# Altium PCB base.PcbDoc
Units mil, origin at the board's own origin, x right, y up, seen from the top; angles counter-clockwise.
Board outline 3307.09 x 3590.71 mil, 2 copper layers (Top Layer, Bottom Layer), stack 38.57 mil thick; 32 components, 32 nets, 175 pads, 168 vias.
Unrouted connection lines stored in the file: 5.
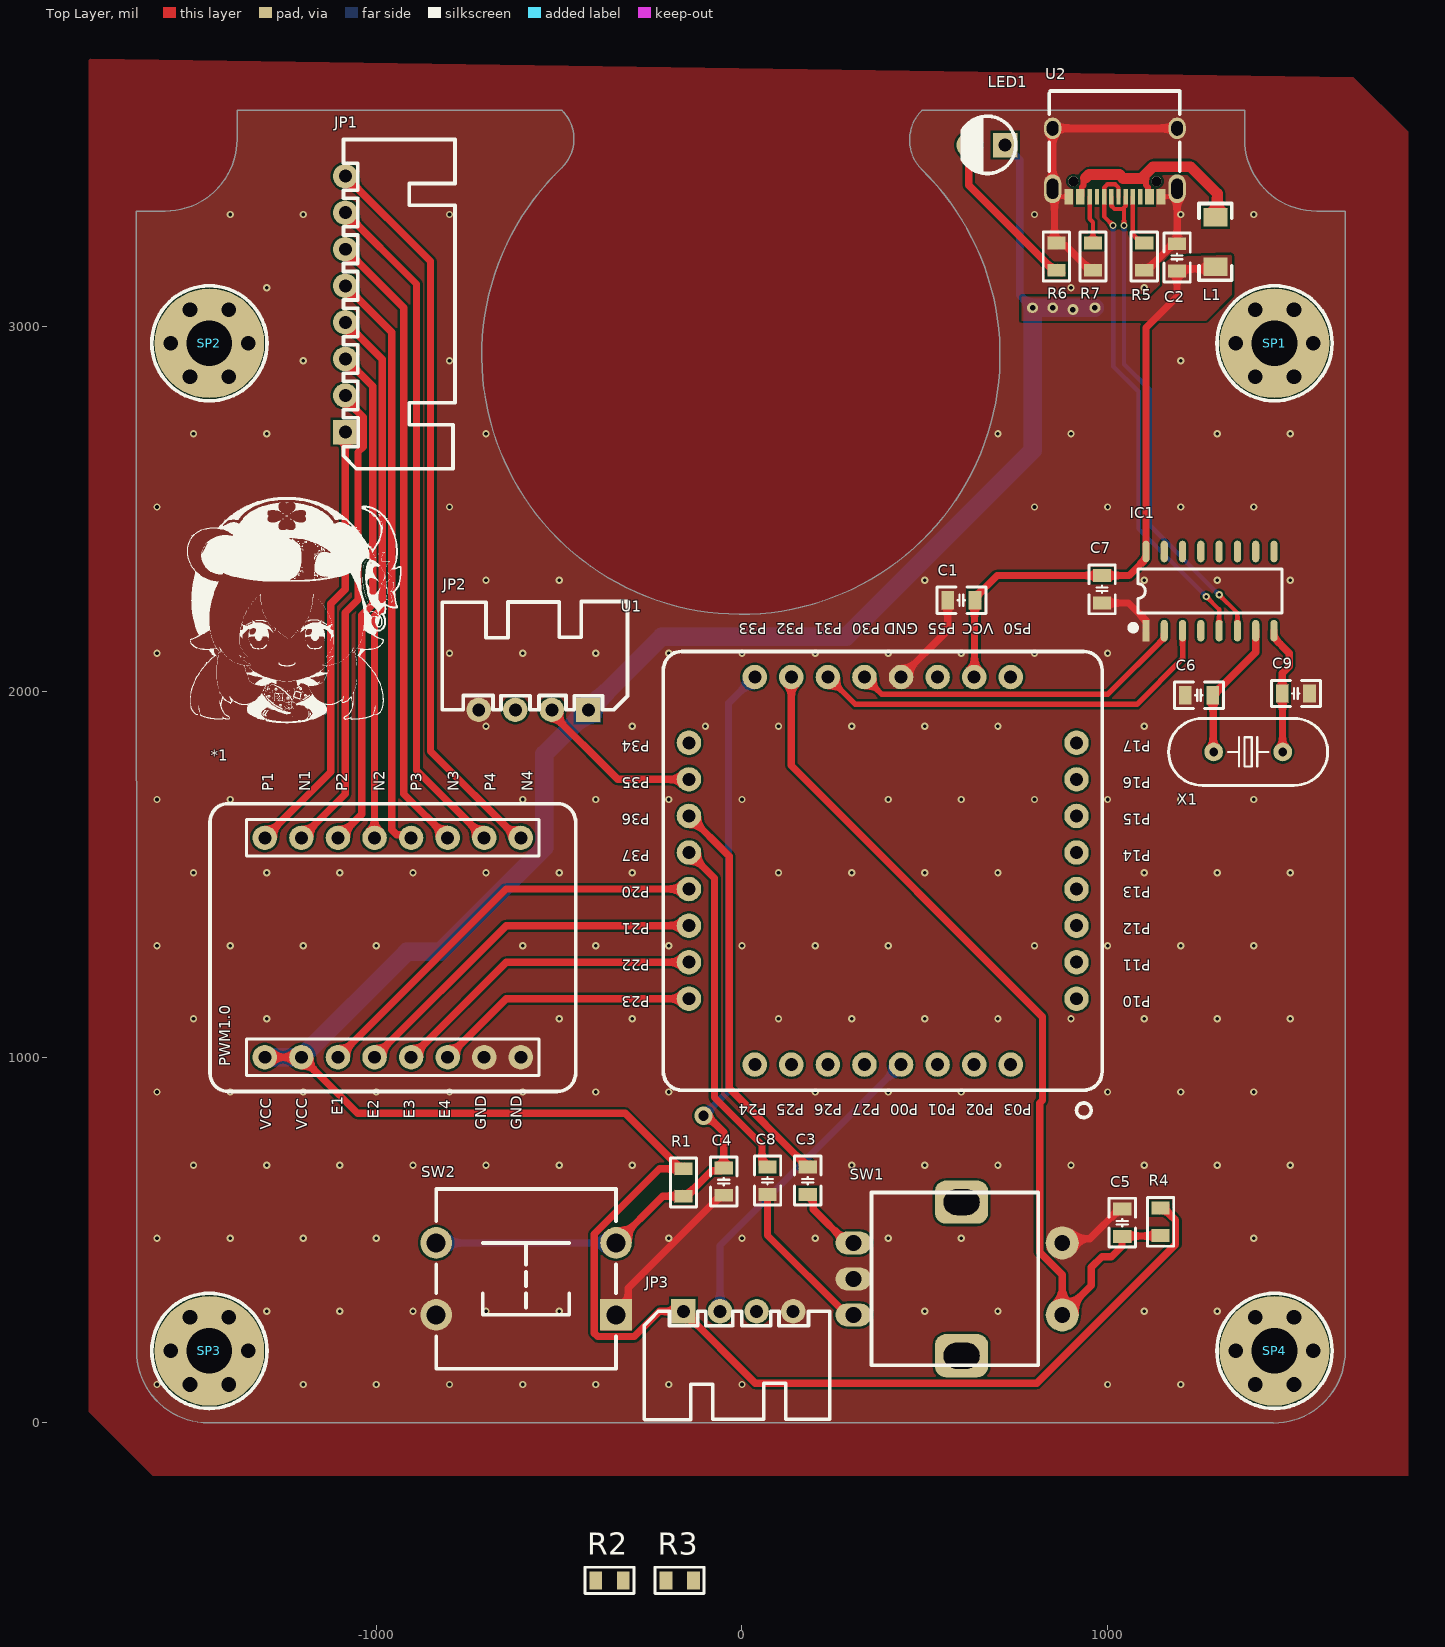
[diagram p0: Top Layer view]
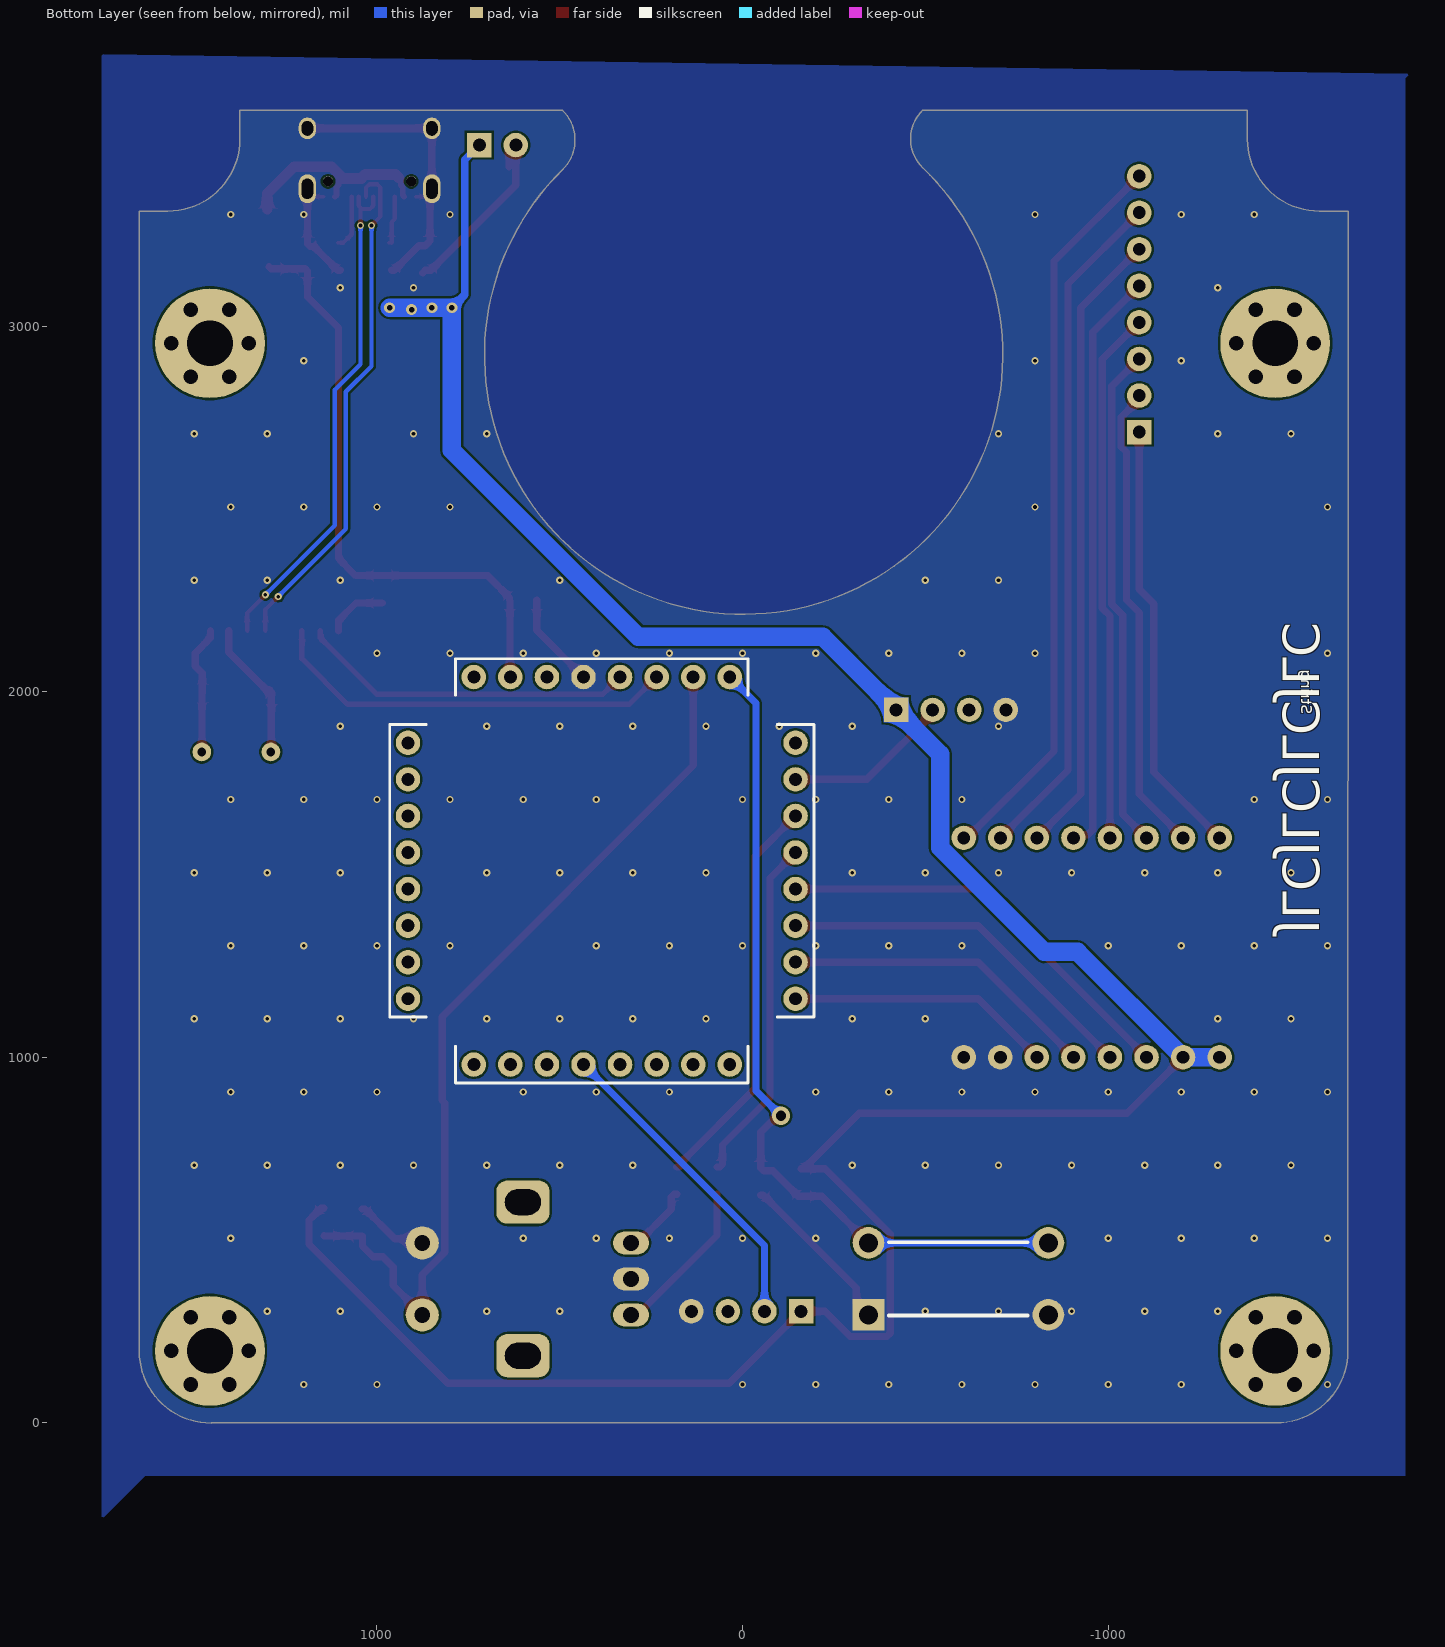
[diagram p1: Bottom Layer view, seen from below]
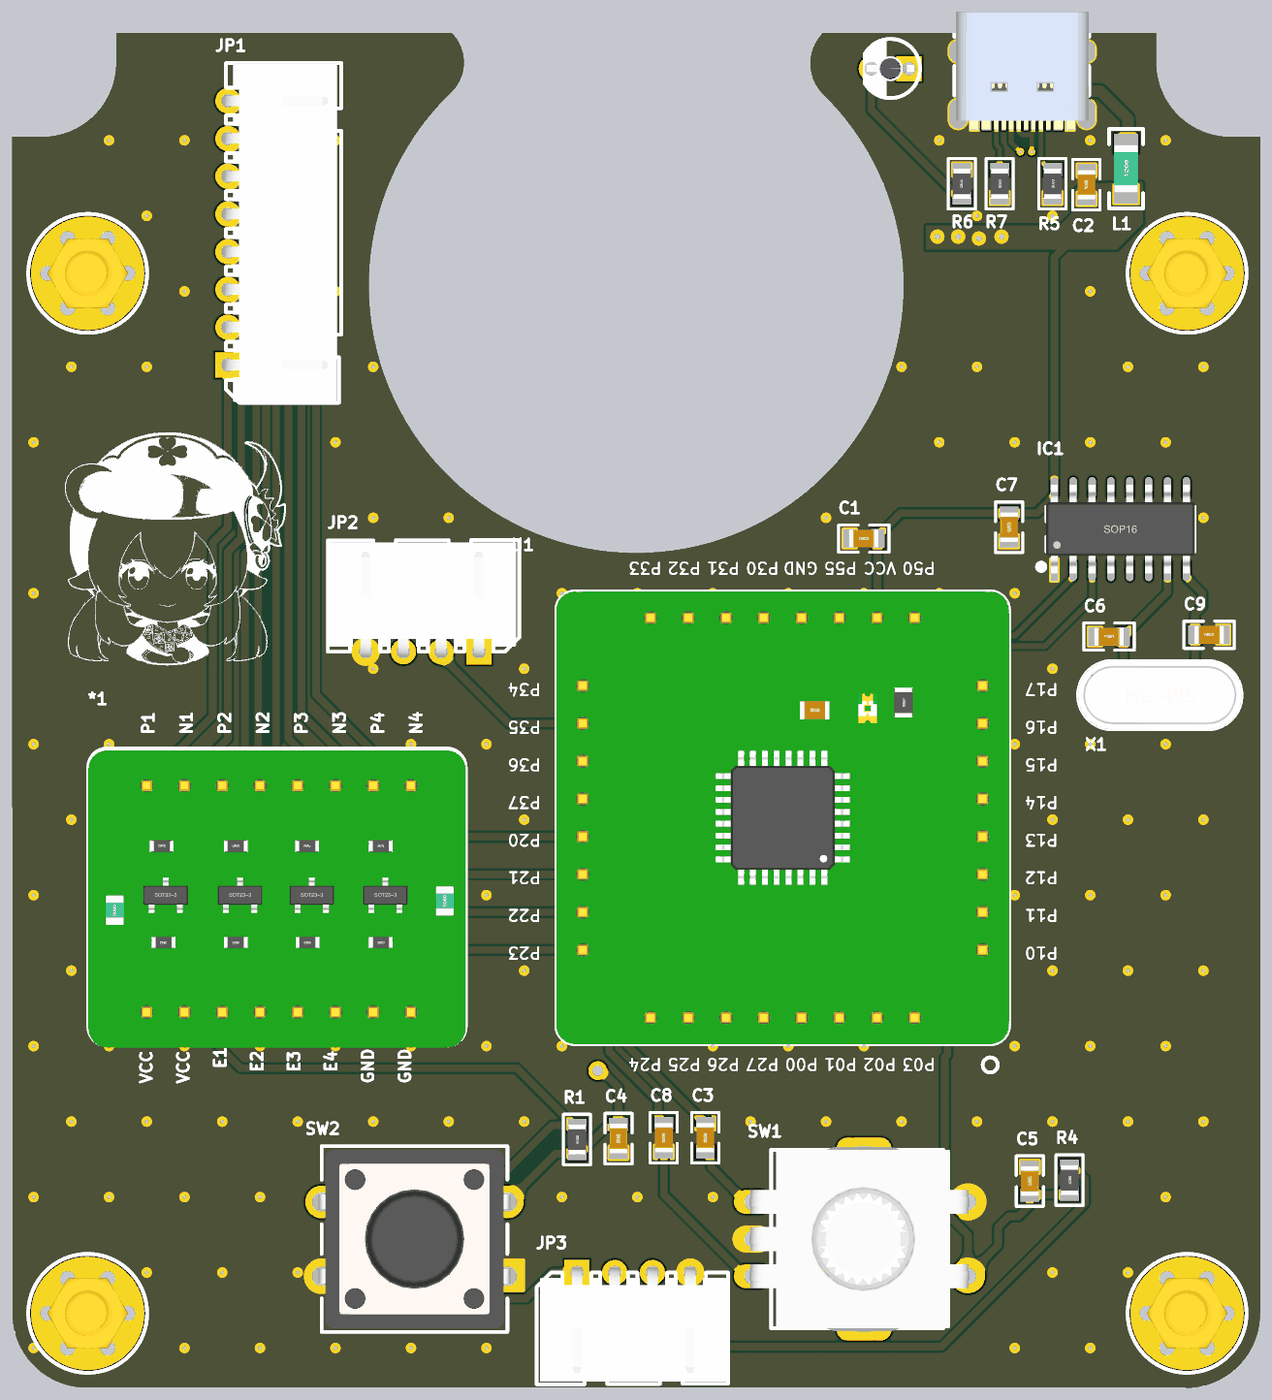
[diagram p2: 3D render of the assembled board from above, using the file's embedded part models]

## Layer stack, top to bottom
Top Solder: solder mask 0.4, Solder Resist, Dk 3.5
Top Layer: signal copper 1.4
Dielectric 1: dielectric 35.77, FR-4, Dk 4.8
Bottom Layer: signal copper 1.4
Bottom Solder: solder mask 0.4, Solder Resist, Dk 3.5

## Board outline
-1656,197 ccw(c-1459.15,197) -1459.15,0.15 -1459.15,0 1453.15,0 1453.15,-0.85 ccw(c1453.15,196) 1650,196 1650.53,196 1650.53,3314.27 1571.79,3314.27 cw(c1571.79,3511.12) 1374.94,3511.12 1374.94,3589.86 492.13,3589.86 ccw(c573.28,3508.71) 492.13,3427.56 cw(c-3.02,2920.38) -492.12,3433.38 ccw(c-570.37,3511.62) -492.13,3589.86 -1380.97,3589.86 -1380.97,3511.12 cw(c-1577.82,3511.12) -1577.82,3314.27 -1656.56,3314.27

## Design rules (kind name [scope] priority, off if disabled: settings)
Clearance [All] p1: gap=6 ignorepadtopadclearanceinfootprint=TRUE
PolygonConnect [All] p1: connectstyle=Direct reliefconductorwidth=10 reliefentries=4 polygonreliefangle="90 Angle" airgapwidth=10
RoutingVias [All] p1: holewidth=10 width=20 viastyle="Through Hole" minholewidth=10 minwidth=10 maxholewidth=28 maxwidth=50
SolderMaskExpansion [All] p1: expansion=4 istentingtop=FALSE
Width [All] p1: maxlimit=100 minlimit=5 preferedwidth=20
30 further rules are at their usual default settings.

## Classes and differential pairs
component class Sheet2: *1 C1 C2 C3 C4 C5 C7 C9 IC1 JP1 JP2 JP3 L1 LED1 R1 R5 R6 R7 SP2 SP3 SP4 SW1 SW2 U1 U2 X1

## Components (designator, comment, footprint, x,y, rotation, side; value= is the part's Value field where it differs from the comment)
*1 "PWMctr" PWMctr -455,905 r90 top locked
C1 "104" "C 0805_L" 600,2250 r0 top
C2 "104" "C 0805_L" 1190,3187.6 r270 top
C3 "104" "C 0805_L" 180,662.4 r90 top
C4 "104" "C 0805_L" -50,660 r90 top
C5 "104" "C 0805_L" 1040,547.4 r90 top
C6 "12pf" "C 0805_L" 1250,1990 r180 top
C7 "104" "C 0805_L" 985,2280 r270 top
C8 "104" "C 0805_L" 70,662.4 r90 top
C9 "12pf" "C 0805_L" 1515,1995 r0 top
IC1 "CH340G" SOP16_L 1280,2275 r90 top
JP1 "HDR-1X8" XH2.54-WI-8P -1085,3060 r90 top locked
JP2 "HDR-1X4" XH2.54-WI-4P -570,1950 r180 top
JP3 "HDR-1X4" XH2.54-WI-4P -10,305 r0 top locked
L1 "10uH" "L 1206" 1295,3230 r90 top
LED1 "红色" "LED 3MM-B" 670,3495 r180 top
R1 "10K" "R 0805_L" -160,657.4 r270 top
R2 "10K" "R 0805_L" -362.4,-431 r0 top
R3 "10K" "R 0805_L" -170.4,-431 r0 top
R4 "10K" "R 0805_L" 1145,550 r270 top
R5 "5.1K" "R 0805_L" 1100,3190 r270 top
R6 "220R" "R 0805_L" 860,3190 r90 top
R7 "5.1K" "R 0805_L" 960,3190 r270 top
SP1 "M3铜柱" M3x4+6_N 1456.69,2952.76 r0 top locked
SP2 "M3铜柱" M3x4+6_N -1456.69,2952.76 r0 top locked
SP3 "M3铜柱" M3x4+6_N -1456.69,196.85 r0 top locked
SP4 "M3铜柱" M3x4+6_N 1456.69,196.85 r0 top locked
SW1 "EC11" EC11 590.55,393.7 r180 top locked
SW2 "12x12x5" "TSW DIP-12*12*12" -590.55,393.7 r180 top locked
U1 "STC8F2K64S2_LQFP32" MCU 1410,2300 r180 top locked
U2 "TYPEC-16PIN" USB-C-16pin 1020,3490 r180 top
X1 "12MHz" "OSC HC-49S" 1384.49,1835 r0 top locked

## Footprints (in the part's own frame and the unit in brackets; to place one, negate y for a bottom-side part, rotate by r counter-clockwise, add the part's x,y. Pads: shape width x height; smd on the part's side, far side on the other; paste and mask are expansions set on the pad)
"C 0805_L" [mil] "无极性贴片电容                                        淘宝ID:黄晶宝石"
  rect 35x50 smd: 1(-37.4,0) 2(37.4,0)
  silkscreen extent -67,-36 67,36, body extent -39,-24 39,24, height 20
EC11 [mm] "数字开关编码器  淘宝ID:黄晶宝石"
  rrect50% 3.7x3 hole 1.8 slot 2.5 at 0 deg: 0(-0.254,5.334) 0(-0.254,-5.334)
  round 2.3 hole 1.1: 1(-7.25,2.5) 2(-7.25,-2.5)
  oval 2.5x1.6 hole 1.1: A(7.25,-2.5) B(7.25,2.5) C(7.25,0)
  silkscreen extent -5.59,-6 6,6, body extent -7.35,-6.24 7.45,6.24, height 22
"L 1206" [mil] "小功率贴片电感        淘宝ID:黄晶宝石"
  rect 50x65 smd: 1(-67.5,0) 2(67.5,0)
  silkscreen extent -105,-45 105,45, body extent -63,-31 63,31, height 35
"LED 3MM-B" [mm] "蓝色3mm直插LED                                 淘宝ID:黄晶宝石"
  rect 1.7x1.7 hole 0.9: 1(-1.27,0)
  round 1.7 hole 0.9: 2(1.27,0)
  silkscreen extent -2.01,-2 1.72,1.98, body extent -1.95,-1.95 1.64,1.95, height 5.55
M3x4+6_N [mil] "M3铜柱，长：4mm，螺纹长：6mm"
  round 40 hole 40: 1(-106,0) 1(-53,-91.8) 1(-53,91.8) 1(53,-91.8) 1(53,91.8) 1(106,0)
  round 300 hole 125: 1(0,0)
  silkscreen extent -157,-157 157,157, body extent -106,-93 106,93, height 159
MCU [mm] "STC8F2K64S2_LQFP32"
  round 1.7 hole 0.9: 1(12.573,28.956) 2(12.573,26.416) 3(12.573,23.876) 4(12.573,21.336) 5(12.573,18.796) 6(12.573,16.256) 7(12.573,13.716) 8(12.573,11.176) 9(17.145,6.604) 10(19.685,6.604) 11(22.225,6.604) 12(24.765,6.604) 13(27.305,6.604) 14(29.845,6.604) 15(32.385,6.604) 16(34.925,6.604) 17(39.497,11.176) 18(39.497,13.716) 19(39.497,16.256) 20(39.497,18.796) 21(39.497,21.336) 22(39.497,23.876) 23(39.497,26.416) 24(39.497,28.956) 25(34.925,33.528) 26(32.385,33.528) 27(29.845,33.528) 28(27.305,33.528) 29(24.765,33.528) 30(22.225,33.528) 31(19.685,33.528) 32(17.145,33.528)
  silkscreen extent 10.79,4.83 41.27,37.21, body extent 10.79,4.83 41.27,35.31, height 5.51
"OSC HC-49S" [mm] "封装库来自淘宝卖家 ID：黄晶宝石"
  round 1.3 hole 0.6: 1(-2.4,0) 2(2.4,0)
  silkscreen extent -5.52,-2.32 5.52,2.33, body extent -5.52,-2.32 5.53,2.33, height 4.13
PWMctr [mm] "PWM控制板"
  round 1.7 hole 0.9: 1(2.413,21.59) 2(2.413,19.05) 3(2.413,16.51) 4(2.413,13.97) 5(2.413,11.43) 6(2.413,8.89) 7(2.413,6.35) 8(2.413,3.81) 9(17.653,3.81) 10(17.653,6.35) 11(17.653,8.89) 12(17.653,11.43) 13(17.653,13.97) 14(17.653,16.51) 15(17.653,19.05) 16(17.653,21.59)
  Top Layer lines w0.508: 17.33,19.05 17.653,19.05 ; 17.345,13.97 17.653,13.97
  silkscreen extent 0.03,0 20.03,25.4, body extent -0.09,0 19.91,25.4, height 5.52
"R 0805_L" [mil] "1/8W贴片电阻"
  rect 35x50 smd: 1(-37.4,0) 2(37.4,0)
  silkscreen extent -67,-36 67,36, body extent -39,-25 39,25, height 20
SOP16_L [mm] "10.3*6.2*1.8mm（长宽高）封装库来自淘宝卖家 ID：黄晶宝石"
  rect 1.5x0.5 smd: 1(-2.752,4.445)
  oval 1.5x0.5 smd: 2(-2.752,3.175) 3(-2.752,1.905) 4(-2.752,0.635) 5(-2.752,-0.635) 6(-2.752,-1.905) 7(-2.752,-3.175) 8(-2.752,-4.445) 9(2.752,-4.445) 10(2.752,-3.175) 11(2.752,-1.905) 12(2.752,-0.635) 13(2.752,0.635) 14(2.752,1.905) 15(2.752,3.175) 16(2.752,4.445)
  silkscreen extent -2.69,-5 1.52,5.49, body extent -3,-5 3,5, height 1.9
"TSW DIP-12*12*12" [mm] "12*12*12mm          淘宝ID:黄晶宝石"
  rect 2.2x2.2 hole 1.3: 1(-6.25,2.5)
  round 2.2 hole 1.3: 2(-6.25,-2.5) 3(6.25,-2.5) 4(6.25,2.5)
  silkscreen extent -6.25,-6.25 6.25,6.25, body extent -6.9,-6 6.9,6, height 12.15
USB-C-16pin [mm] "脚距8.65*4.20"
  rect 0.6x1.1 smd: 1(-3.2,3.463) 2(-2.4,3.463) 11(2.4,3.463) 12(3.2,3.463)
  rect 0.3x1.1 smd: 3(-1.75,3.463) 4(-1.25,3.463) 5(-0.75,3.463) 6(-0.25,3.463) 7(0.25,3.463) 8(0.75,3.463) 9(1.25,3.463) 10(1.75,3.463)
  oval 1.2x1.5 hole 0.8 slot 1 at 90 deg: 13(-4.325,-1.287) 14(4.325,-1.287)
  oval 1.2x2 hole 0.8 slot 1.4 at 90 deg: 13(-4.325,2.914) 14(4.325,2.913)
  round 0.7 hole 0.7 unplated: ""(-2.89,2.393) ""(2.89,2.393)
  silkscreen extent -4.5,-3.89 4.57,1.69, body extent -4.47,-3.94 4.47,3.96, height 3.21
XH2.54-WI-4P [mm] "接插件，4P"
  rect 1.7x1.7 hole 0.9: 1(-3.81,0)
  round 1.7 hole 0.9: 2(-1.27,0) 3(1.27,0) 4(3.81,0)
  silkscreen extent -6.53,-7.53 6.35,0, body extent -6.31,-7.35 6.31,0.35, height 5.73
XH2.54-WI-8P [mm] "接插件，8P"
  rect 1.7x1.7 hole 0.9: 1(-8.89,0)
  round 1.7 hole 0.9: 2(-6.35,0) 3(-3.81,0) 4(-1.27,0) 5(1.27,0) 6(3.81,0) 7(6.35,0) 8(8.89,0)
  silkscreen extent -11.43,-7.62 11.43,0.13, body extent -11.39,-7.35 11.39,0.35, height 5.75

## Part data
*1: "PWM控制板"
C1 C2 C3 C4 C5 C6 C7 C8 C9: library part C, "贴片电容", BOM名称=无极性贴片电容, 唯一出售店铺网址=https://shop463601444.taobao.com, 淘宝ID="封装库来自淘宝 ID：黄晶宝石", 联系售后，技术支持=https://shop463601444.taobao.com
IC1: "串口转USB", BOM名称=串口转USB, 学习资源=https://shop463601444.taobao.com, 版权归属="封装库来自淘宝 ID：黄晶宝石"
JP1: library part "Header 8", "8P接插件", BOM名称=8P接插件, 学习资源=https://shop463601444.taobao.com, 版权归属="封装库来自淘宝 ID：黄晶宝石"
JP2 JP3: library part "Header 4", "4P接插件", BOM名称=4P接插件, 学习资源=https://shop463601444.taobao.com, 版权归属="封装库来自淘宝 ID：黄晶宝石"
L1: library part L, "小功率贴片电感", BOM名称=小功率贴片电感, 封装库来自淘宝卖家 ID：黄晶宝石=其他店铺购入均为盗版，不享受售后技术支持服务，请立即申请退款, 淘宝ID="封装库来自淘宝 ID：黄晶宝石", 联系售后=https://shop463601444.taobao.com
LED1: library part LED-3MM, "直插3mm LED", BOM名称=插件LED, 版权归属="封装库来自淘宝 ID：黄晶宝石", 联系售后=https://shop463601444.taobao.com
R1 R2 R3 R4 R5 R6 R7: library part R, "贴片电阻", BOM名称=贴片电阻, 封装库来自淘宝卖家 ID：黄晶宝石=其他店铺购入均为盗版，不享受售后技术支持服务，请立即申请退款, 版权归属="来自淘宝 ID：黄晶宝石", 联系售后=https://shop463601444.taobao.com
SP1 SP2 SP3 SP4: library part 铜柱加头大焊盘, "铜柱", BOM名称=铜柱, 学习资源=https://shop463601444.taobao.com, 版权归属="封装库来自淘宝 ID：黄晶宝石"
SW1: "数字开关编码器", BOM名称=数字编码开关, 封装库来自淘宝卖家 ID：黄晶宝石=其他店铺购入均为盗版，不享受售后技术支持服务，请立即申请退款, 技术支持，联系售后=https://shop463601444.taobao.com, 版权归属="封装库来自淘宝 ID：黄晶宝石"
SW2: library part "TSW DIP-12x12", "直插12x12轻触开关", BOM名称=直插12x12轻触开关, 唯一出售店铺网址=https://shop463601444.taobao.com, 版权归属="封装库来自淘宝 ID：黄晶宝石"
U1: library part MCU
X1: library part XTAL-2P, "2脚无源脚晶振", BOM名称=2脚无源脚晶振, 学习资源=https://shop463601444.taobao.com, 版权归属="封装库来自淘宝卖家 ID：黄晶宝石"

## Via types
v1: diameter 20, hole 10, Top Layer to Bottom Layer, 163 vias
v2: diameter 30, hole 15, Top Layer to Bottom Layer, 4 vias
v3: diameter 50, hole 28, Top Layer to Bottom Layer, 1 vias

## Nets (pads, with @x,y where several pads share a name; then routed paths per layer and width w, separated by ;. In a path a pad name is that pad's centre, name@x,y a point inside that pad or via, vN(x,y) a via of type N, cw(c..) or ccw(c..) an arc to the next point about the centre after c; other vN are vias at no path point)
A: U1.19 | length 1099.2
  Top Layer w20: U1.19 -35,1550 -35,914.8 165,714.8 165,707.3 172.5,699.8 180,699.8
B: U1.20 | length 953.6
  Top Layer w20: U1.20 -75,1490 -75,890 55,760 55,707.3 62.5,699.8 70,699.8
D+: IC1.5 U2.6 U2.8 | length 1413.6
  Top Layer w12: v1(1015,3275) 990.47,3299.53 U2.8 990.57,3353.74 990.57,3378.58 999.28,3387.3 1021.03,3387.3 1029.75,3378.58 1029.75,3353.74 U2.6 ; v1(1270,2260) 1305,2225 IC1.5
  Bottom Layer w12: v1(1015,3275) 1015,2890 1085,2820 1085,2445 v1(1270,2260)
D-: IC1.6 U2.5 U2.7 | length 1382.4
  Top Layer w12: U2.7 1010.25,3353.55 1010.25,3328.7 1018.97,3319.99 1040.72,3319.99 1045,3324.27 ; v1(1045,3275) 1045,3324.27 ; U2.5 1049.43,3353.55 1049.43,3328.7 1045,3324.27 ; v1(1305,2265) 1355,2215 IC1.6
  Bottom Layer w12: v1(1045,3275) 1045,2895.5 1115,2825.5 1115,2455 v1(1305,2265)
E1: *1.3 U1.21 | length 1150.5
  Top Layer w20: *1.3 -645,1460 U1.21
E2: *1.4 U1.22 | length 1009.1
  Top Layer w20: *1.4 -645,1360 U1.22
E3: *1.5 U1.23 | length 867.7
  Top Layer w20: *1.5 -645,1260 U1.23
E4: *1.6 U1.24 | length 726.3
  Top Layer w20: *1.6 -645,1160 U1.24
GND: *1.7 *1.8 C1.1 C2.1 C3.2 C4.1 C5.2 C6.2 C7.2 C8.1 C9.2 IC1.1 JP2.4 JP3.4 R5.2 R6.2 R7.2 SW1.2 SW1.C SW2.1 SW2.4 U1.12 U2.1 U2.12 U2.13 U2.14 | length 2241.8
  Top Layer w10: U2.14@854.86,3365.71 866.93,3353.64 U2.12 ; U2.1 1173.07,3353.64 U2.13@1190.14,3370.71
  Top Layer w20: SW2.1 -311.18,328.58 -311.18,368.91 -57.5,622.6 C4.1 ; U1.12 562.6,2167.6 C1.1 ; U2.14@849.72,3540.65 849.72,3375.3 854.86,3370.16 854.86,3365.71 854.86,3232.54 R6.2 867.5,3219.9 885.2,3219.9 952.5,3152.6 R7.2 ; SW1.2 887.42,503.56 951.26,503.56 1032.5,584.8 C5.2 ; C7.2 1057.4,2242.6 1105,2195 IC1.1 ; R5.2 1107.5,3152.6 1172.4,3217.5 1182.5,3217.5 C2.1 1190.14,3225.14 1190.14,3370.71 1190.14,3375.16 U2.13@1190.28,3375.3
  Top Layer w22: U2.14@849.72,3540.65 U2.13@1190.28,3540.65
  other v1: -1600,105 -1200,105 -1000,105 -800,105 -600,105 -400,105 -200,105 0,105 1000,105 1200,105 -1300,305 -1100,305 -900,305 -700,305 -500,305 500,305 700,305 1100,305 1300,305 -1600,505 -1400,505 -1200,505 -1000,505 -200,505 0,505 200,505 400,505 600,505 1400,505 -1500,705 -1300,705 -1100,705 -900,705 -700,705 -500,705 -300,705 300,705 500,705 700,705 900,705 1100,705 1300,705 1500,705 -1600,905 -1400,905 -1200,905 -1000,905 -800,905 -600,905 -400,905 -200,905 200,905 400,905 600,905 1000,905 1200,905 1400,905 -1500,1105 -1300,1105 -500,1105 -300,1105 100,1105 300,1105 500,1105 700,1105 900,1105 1100,1105 1300,1105 1500,1105 -1600,1305 -1400,1305 -1200,1305 -1000,1305 -600,1305 -400,1305 -200,1305 0,1305 200,1305 400,1305 800,1305 1000,1305 1200,1305 1400,1305 -1500,1505 -1300,1505 -1100,1505 -900,1505 -700,1505 -500,1505 -300,1505 100,1505 300,1505 500,1505 700,1505 1100,1505 1300,1505 1500,1505 -1600,1705 -1400,1705 -600,1705 -400,1705 -200,1705 0,1705 400,1705 600,1705 800,1705 1000,1705 1200,1705 1400,1705 -700,1905 -300,1905 -100,1905 100,1905 300,1905 500,1905 700,1905 1100,1905 -1600,2105 -800,2105 -600,2105 -400,2105 -200,2105 0,2105 200,2105 400,2105 600,2105 800,2105 1000,2105 -700,2305 -500,2305 500,2305 1100,2305 1300,2305 1500,2305 -1600,2505 -800,2505 800,2505 1000,2505 1200,2505 1400,2505 -1500,2705 -1300,2705 -700,2705 700,2705 900,2705 1300,2705 1500,2705 -1200,2905 -800,2905 1200,2905 -1300,3105 900,3105 1100,3105 -1400,3305 -1200,3305 -800,3305 800,3305 1200,3305 1400,3305
key: C4.2 R1.2 SW2.2 SW2.3 U1.16 | length 2300.9
  Top Layer w20: SW2.2 -216.61,620 R1.2 -152.5,620 -82.6,689.9 -57.5,689.9 C4.2 -50,795 -95,840 v3(-105,840)
  Bottom Layer w20: SW2.3 SW2.2 ; v3(-105,840) -36.62,908.38 -36.62,1968.38 U1.16
LEDIN: JP2.2 U1.18 | length 469.2
  Top Layer w20: JP2.2@-533.89,1953.89 -340,1760 U1.18
mic: JP3.2 U1.29 | length 880
  Bottom Layer w20: JP3.2 -60,485 U1.29
Net*1_9: *1.9 JP1.8 | length 2014.7
  Top Layer w20: JP1.8 -851.77,3176.77 -851.77,1836.77 -615,1600 *1.9
Net*1_10: *1.10 JP1.7 | length 1867.4
  Top Layer w20: JP1.7 -890,3115 -890,1785 *1.10
Net*1_11: *1.11 JP1.6 | length 1726
  Top Layer w20: JP1.6 -925,3050 -925,1720 *1.11
Net*1_12: *1.12 JP1.5 | length 1602.2
  Top Layer w20: JP1.5 -958,2983 -958,2782.87 -957.54,2782.4 -957.54,1622.49 -944.03,1608.98 -913.98,1608.98 *1.12
Net*1_13: *1.13 JP1.4 | length 1460.9
  Top Layer w20: JP1.4 -984,2909 -984,2772.1 -983.54,2771.63 -983.54,2648.37 -984,2647.9 -984,2228.5 -1005,2207.5 *1.13
Net*1_14: *1.14 JP1.3 | length 1380.8
  Top Layer w20: *1.14 -1040,1665 -1040,2209.27 -1010,2239.27 -1010,2658.67 -1009.54,2659.14 -1009.54,2760.86 -1010,2761.33 -1010,2835 JP1.3
Net*1_15: *1.15 JP1.2 | length 1300.7
  Top Layer w20: *1.15 -1085,1720 -1085,2216.66 -1050,2251.66 -1050,2655.44 -1035.54,2669.91 -1035.54,2750.09 -1085,2799.56 JP1.2
Net*1_16: *1.16 JP1.1 | length 1201.1
  Top Layer w20: *1.16 -1125,1780 -1125,2240 -1085,2280 JP1.1
NetC3_1: C3.1 R3.2 SW1.A | length 199.5
  Top Layer w20: C3.1 187.5,625 195,617.5 195,584.53 287.4,492.13 SW1.A
NetC6_1: C6.1 IC1.7 X1.1 | length 385.8
  Top Layer w20: X1.1 1288.7,1836.3 1288.7,1988.71 C6.1 1287.4,1997.5 1294.9,2005 1302.4,2005 1405,2107.6 IC1.7
NetC8_2: C8.2 R2.2 SW1.B
NetC9_1: C9.1 IC1.8 X1.2 | length 357.9
  Top Layer w20: IC1.8 1455,2147.28 1497.28,2105 1497.28,2069.68 1477.6,2050 C9.1 1478.29,1994.31 1478.29,1835.69 X1.2
NetL1_2: L1.2 U2.2 U2.11 | length 572
  Top Layer w16: U2.11 929.32,3357.45 929.32,3379.59 934,3384.27 934,3399 940,3405 ; 1099,3403.73 1105,3397.73 1105,3385.26 1110.68,3379.59 1110.68,3357.45 U2.2
  Top Layer w30: 940,3405 949.3,3414.3 1032.22,3414.3 1042.78,3403.73 1099,3403.73 1099,3410.18 1124.48,3435.66 1226.76,3435.66 1300,3362.43 L1.2@1300,3319.88
NetLED1_2: LED1.2 R6.1 | length 527.2
  Top Layer w20: LED1.2 620,3385.1 852.5,3152.6 R6.1 867.5,3152.6 R6.1@875,3145.1 ; LED1.2@630,3495 638.98,3486.02 638.98,3435.82
NetR5_1: R5.1 U2.4 | length 150.9
  Top Layer w10: R5.1 R5.1@1107.5,3227.4
  Top Layer w12: U2.4 1069.21,3250.69 1092.5,3227.4 R5.1
NetR7_1: R7.1 U2.10 | length 137.4
  Top Layer w10: R7.1 R7.1@967.5,3227.4
  Top Layer w12: U2.10 951.1,3292.94 960,3284.05 R7.1
RX: IC1.2 U1.13 | length 922.9
  Top Layer w15: U1.13 381.96,1993.04 1001.07,1993.04 1155,2146.97 IC1.2
SW: C5.1 R4.2 SW1.1 U1.15 | length 2461.6
  Top Layer w20: U1.15 135,1797.87 821.72,1111.15 821.72,881.72 814.71,874.71 814.71,466.74 875.98,405.47 SW1.1 875.98,296.09 955.69,375.79 955.69,425.21 984.48,454 1010.8,454 1039.6,482.8 1039.6,502.5 1040,502.9 C5.1 1041.3,511.3 1143.7,511.3 R4.2
TX: IC1.3 U1.14 | length 1129.5
  Top Layer w15: U1.14 310,1965 1080,1965 1205,2090 IC1.3
VCC: *1.1 *1.2 C1.2 C2.2 C7.1 IC1.16 JP2.1 JP3.1 L1.1 LED1.1 R1.1 R2.1 R3.1 R4.1 U1.10 | length 9469.5
  Top Layer w20: *1.1 *1.2 -1051.66,846.66 -319.36,846.66 R1.1@-167.5,694.8 ; R1.1 R1.1@-167.5,694.8 ; U1.10 636.2,2041.2 636.2,2248.8 C1.2 637.4,2257.5 697.31,2317.4 C7.1 1058.43,2317.4 1105,2363.98 IC1.16 1105,2995 1190,3080 C2.2 1196.15,3156.35 1288.85,3156.35 L1.1 ; R4.1 1152.5,587.4 1186,553.9 1186,488.47 806.17,108.65 36.35,108.65 JP3.1 -225.52,305 -294.55,235.97 -394.42,235.97 -403.8,245.34 -403.8,516.69 -225.68,694.8 R1.1@-167.5,694.8
  Bottom Layer w20: LED1.1 760,3455 760,3085 v2(795,3050)
  Bottom Layer w50: *1.1 *1.2 -916.73,1288.27 -825.56,1288.27 -540.54,1573.3 -540.54,1829.46 JP2.1 -220,2150 285,2150 795,2660 v2(795,3050) v2(850,3050) v2(965,3050)
  other v2: 905,3045
pads on no net: IC1.4 IC1.9 IC1.10 IC1.11 IC1.12 IC1.13 IC1.14 IC1.15 JP2.3 JP3.3 SP1.1 SP2.1 SP3.1 SP4.1 SW1.0 U1.1 U1.2 U1.3 U1.4 U1.5 U1.6 U1.7 U1.8 U1.9 U1.11 U1.17 U1.25 U1.26 U1.27 U1.28 U1.30 U1.31 U1.32 U2. U2.3 U2.9
copper on no net: | length 437.5
  Top Layer w20: 70,625 70,512.68 287.4,295.28 305.12,295.28

## Polygon pours and split planes (outlines as drawn)
GND on Top Layer "GND_L01_P006" (solid, remove dead copper, pour order 6): -1786,3731 -1786,31 -1611,-144 1822,-144 1822,3531 1672,3681
VCC on Top Layer "VCC_L01_P000" (solid, remove dead copper, pour order 0): 1340,3195 1340,3085 1270,3015 765,3015 765,3080 1120,3080 1150,3110 1150,3170 1155,3170 1175,3190
GND on Bottom Layer "GND_L02_P005" (solid, remove dead copper, pour order 5): -1825,3690 -1813,3678 -1813,-145 1634,-145 1752,-263 1752,3743

## Silkscreen, mask and mechanical layers (free items; w line width, h text height)
Top Overlay:
  drawing of 195 lines, arcs and shapes, not listed
Bottom Overlay:
  text "String" at -1528,1938 h30 r90
  text "JLCJLCJLCJLC" at -1477,1336 h100 r90
Mechanical 1:
  lines w10: -1656.56,197 -1656.56,3314.27 ; -1656,197 ccw(c-1459.15,197) -1459.15,0.15 ; -1459.15,0 1453.15,0 ; -492.13,3433.38 ccw(c-570.37,3511.62) -492.13,3589.86 -1380.97,3589.86 ; -492.12,3433.38 ccw(c-3.02,2920.39) 492.12,3427.56 ; 492.13,3427.56 cw(c573.28,3508.71) 492.13,3589.86 1374.94,3589.86 ; 1453.15,-0.85 ccw(c1453.15,196) 1650,196 ; 1650.53,196 1650.53,3314.27 ; -1656.56,3314.27 -1577.82,3314.27 ; -1656.56,3314.27 -1577.82,3314.27 ; -1577.82,3314.27 ccw(c-1577.82,3511.12) -1380.97,3511.12 ; -1577.82,3314.27 ccw(c-1577.82,3511.12) -1380.97,3511.12 ; -1380.97,3511.12 -1380.97,3589.86 ; -1380.97,3511.12 -1380.97,3589.86 ; 1374.94,3511.12 ccw(c1571.79,3511.12) 1571.79,3314.27 ; 1374.94,3511.12 ccw(c1571.79,3511.12) 1571.79,3314.27 ; 1374.94,3511.12 1374.94,3589.86 ; 1374.94,3511.12 1374.94,3589.86 ; 1571.79,3314.27 1650.53,3314.27 ; 1571.79,3314.27 1650.53,3314.27

## Text inside footprints (layer, text, board x,y; h text height)
*1: Top Overlay "PWM1.0" at -1400,975 h30 r90; Top Overlay "VCC" at -1287,802 h30 r90; Top Overlay "N2" at -977.71,1727 h30 r90; Top Overlay "N1" at -1180.57,1727 h30 r90; Top Overlay "GND" at -602,802 h30 r90; Top Overlay "GND" at -699.86,802 h30 r90; Top Overlay "E4" at -797.71,831.99 h30 r90; Top Overlay "E3" at -895.57,831.99 h30 r90; Top Overlay "E2" at -993.43,831.99 h30 r90; Top Overlay "E1" at -1091.29,841.99 h30 r90; Top Overlay "VCC" at -1189.14,802 h30 r90; Top Overlay "N4" at -572,1727 h30 r90; Top Overlay "P4" at -673.43,1727 h30 r90; Top Overlay "N3" at -774.86,1727 h30 r90; Top Overlay "P3" at -876.29,1727 h30 r90; Top Overlay "P2" at -1079.14,1727 h30 r90; Top Overlay "P1" at -1282,1727 h30 r90
U1: Top Overlay "P13" at 1117.39,1465.9 h30 r180; Top Overlay "P15" at 1117.39,1665.45 h30 r180; Top Overlay "P14" at 1117.39,1565.67 h30 r180; Top Overlay "P17" at 1117.39,1865 h30 r180; Top Overlay "P16" at 1117.39,1765.22 h30 r180; Top Overlay "VCC" at 688.82,2186.57 h30 r180; Top Overlay "P50" at 792.39,2186.57 h30 r180; Top Overlay "P34" at -252.61,1865 h30 r180; Top Overlay "P35" at -252.61,1765.22 h30 r180; Top Overlay "P36" at -252.61,1665.45 h30 r180; Top Overlay "P37" at -252.61,1565.67 h30 r180; Top Overlay "P11" at 1117.39,1266.35 h30 r180; Top Overlay "P12" at 1117.39,1366.12 h30 r180; Top Overlay "P10" at 1117.39,1166.57 h30 r180; Top Overlay "P03" at 792.39,871.57 h30 r180; Top Overlay "P02" at 688.82,871.57 h30 r180; Top Overlay "P26" at 274.53,871.57 h30 r180; Top Overlay "P01" at 585.24,871.57 h30 r180; Top Overlay "P00" at 481.67,871.57 h30 r180; Top Overlay "P27" at 378.1,871.57 h30 r180; Top Overlay "P33" at 67.39,2186.57 h30 r180; Top Overlay "P32" at 170.96,2186.57 h30 r180; Top Overlay "P30" at 378.1,2186.57 h30 r180; Top Overlay "P31" at 274.53,2186.57 h30 r180; Top Overlay "P55" at 585.25,2186.57 h30 r180; Top Overlay "GND" at 481.67,2186.57 h30 r180; Top Overlay "P25" at 170.96,871.57 h30 r180; Top Overlay "P24" at 67.39,871.57 h30 r180; Top Overlay "P21" at -252.61,1366.12 h30 r180; Top Overlay "P22" at -252.61,1266.35 h30 r180; Top Overlay "P23" at -252.61,1166.57 h30 r180; Top Overlay "P20" at -252.61,1465.9 h30 r180